# Allegro board gps_interface_boardv45ph.brd (continued)
## Routing (per net, layer and track width the routed paths; a pad name or vN(x,y) marks a point on that pad's centre or on a via; arc(x,y) is an arc through that point) (continued)
VCC3V3_LFILT: length 10.7
  TOP w0.305: v1(81.75,135.53) 80.84,134.62 U1.2
  BOTTOM w0.305: L1.2 86.21,131.47 86.21,131.47 C9.1 84.89,133.32 84.28,133.93 83.29,133.93 C8.1 83.24,134.92 82.63,135.53 v1(81.75,135.53)
VCC5V: length 81.2
  TOP w0.203: 26.04,65.56 26.03,65.55 U8.10 ; U10.12 62.38,67.85 61.32,66.79 v1(61.32,64.9) 61.32,59.46 60.35,58.5 v1(52.86,58.5) 32.97,58.5 32.03,59.44 32.03,63.8 29.77,66.07 27.58,66.07 ; v1(54.61,46.71) 55.89,46.71 56.47,46.13 U13.12
  TOP w0.305: R265.1 v1(69.33,134.8)
  BOTTOM w0.203: C69.2 v1(61.32,64.9) ; v1(52.86,58.5) 52.86,47.65 53.8,46.71 v1(54.61,46.71) 54.61,46.22 54.93,45.9 C84.2
  BOTTOM w0.305: P1.11 278.23,10.34 278.26,10.36 C116.1 ; v1(34.12,140.39) C10.2 33.3,138.3 33.28,138.29 L2.1 v1(31.71,140.21)
  vias: v1(22.45,68.07) v1(22.45,66.67) v1(23.55,68.05) v1(23.55,66.67) v1(23.6,69.39) v1(24.69,69.39) v1(24.66,68.07) v1(24.69,66.67) v1(25.83,69.39) v1(25.88,68.12) v1(25.88,66.67)
VCC5V_LFILT: length 34.9
  TOP w0.203: v1(44.43,134.57) 43.63,133.76 U2.1
  TOP w0.305: U3.1 18.29,133.74 18.3,133.73 v1(19.11,133.73)
  BOTTOM w0.305: L2.2 31.71,134.53 31.7,134.53 C12.2 ; C12.2 31.7,132.23 32.54,131.39 42.93,131.39 43.79,132.26 43.79,133.93 v1(44.43,134.57) ; C12.2 25.2,133.71 25.18,133.73 21.25,133.73 21.25,133.73 C11.2 v1(19.11,133.73)
VCCR_SFP INTERFACE_ACLK SFP: length 12.6
  TOP w0.305: v1(132.69,99.39) 132.23,99.85 L20.2 132.23,103.48 v1(133.32,104.57) ; J30.15 137.21,113.51 v1(136.7,114.02)
  BOTTOM w0.203: C2717.2 131.68,104.35 v1(132.13,104.8)
  BOTTOM w0.33: C2714.2 136.7,116.69 v1(136.7,114.02)
VCCR_SFP INTERFACE_SFP1: length 12.6
  TOP w0.305: v1(280.01,99.42) 279.48,99.95 L7.2 279.48,103.63 v1(280.42,104.57) ; J13.15 284.48,113.56 v1(283.97,114.07)
  BOTTOM w0.203: C134.2 v1(278.93,104.99)
  BOTTOM w0.33: v1(283.97,114.07) 283.97,116.77 C135.2
VCCR_SFP INTERFACE_SFP2: length 12.8
  TOP w0.305: v1(258.17,104.78) 257.4,104.01 L9.2 257.4,99.8 v1(257.84,99.36) ; J14.15 262.41,113.51 v1(261.9,114.02)
  BOTTOM w0.203: C157.2 v1(256.85,105.11)
  BOTTOM w0.33: v1(261.9,114.02) 261.9,116.77 C158.2
VCCR_SFP INTERFACE_SFP3: length 12.5
  TOP w0.305: J18.15 240.11,113.51 v1(239.6,114.02) ; v1(235.86,104.57) 235.1,103.81 L11.2 235.1,99.82 v1(235.51,99.42)
  BOTTOM w0.203: C180.2 v1(234.55,105.11)
  BOTTOM w0.33: C181.2 239.6,116.77 v1(239.6,114.02)
VCCR_SFP INTERFACE_SFP4: length 12.6
  TOP w0.305: J19.15 210.87,113.51 v1(210.36,114.02) ; v1(206.68,104.62) 205.89,103.84 L13.2 205.89,99.82 v1(206.3,99.42)
  BOTTOM w0.203: C203.2 v1(205.34,105.11)
  BOTTOM w0.33: C204.2 210.36,116.79 v1(210.36,114.02)
VCCR_SFP INTERFACE_SFP5: length 12.6
  TOP w0.305: J20.15 188.57,113.51 v1(188.06,114.02) ; v1(184,99.42) 183.59,99.82 L15.2 183.59,103.81 v1(184.4,104.62)
  BOTTOM w0.203: C226.2 v1(183.04,105.11)
  BOTTOM w0.33: v1(188.06,114.02) 188.06,116.71 C227.2
VCCR_SFP INTERFACE_SFP6: length 12.6
  TOP w0.305: v1(162.56,104.57) 161.47,103.48 L17.2 161.47,99.85 v1(161.93,99.39) ; v1(165.94,114.02) 166.45,113.51 J21.15
  BOTTOM w0.203: v1(161.37,104.8) 160.92,104.35 C249.2
  BOTTOM w0.33: v1(165.94,114.02) 165.94,116.69 C250.2
VCCT_SFP INTERFACE_ACLK SFP: length 12.4
  TOP w0.305: v1(138.43,114) 138.01,113.58 J30.16 ; v1(142.57,104.8) 143.23,104.14 L21.2 143.23,100.36 143.26,100.33 143.26,100.22 143.41,100.06 v1(143.41,99.52)
  BOTTOM w0.203: C2719.2 v1(143.81,105.24)
  BOTTOM w0.33: C2718.2 138.48,114.04 v1(138.43,114)
VCCT_SFP INTERFACE_SFP1: length 13.8
  TOP w0.305: v1(289.94,104.95) 290.47,104.42 L8.2 290.47,100.05 v1(291.01,99.52) ; J13.16 285.28,113.63 v1(285.7,114.05)
  BOTTOM w0.203: C137.2 v1(291.05,105.14) ; 287.48,117.02 v1(287.48,115.87)
  BOTTOM w0.33: v1(285.7,114.05) 285.7,116.91 C136.2
VCCT_SFP INTERFACE_SFP2: length 16.1
  TOP w0.203: v1(269.38,106.26) 268.12,106.26 268.11,106.26 267.41,106.26
  TOP w0.305: v1(263.63,114) 263.21,113.58 J14.16 ; v1(267.56,104.78) 268.4,103.94 L10.2 268.4,99.77 v1(268.63,99.54)
  BOTTOM w0.203: C160.2 v1(268.98,105.24) ; 269.38,107.9 v1(269.38,106.26)
  BOTTOM w0.33: v1(263.63,114) 263.63,116.91 C159.2
VCCT_SFP INTERFACE_SFP3: length 12.4
  TOP w0.305: v1(245.19,104.72) 246.1,103.81 L12.2 246.1,99.8 v1(246.33,99.57) ; J18.16 240.91,113.58 v1(241.33,114)
  BOTTOM w0.203: C183.2 v1(246.68,105.24)
  BOTTOM w0.33: C182.2 241.33,116.91 v1(241.33,114)
VCCT_SFP INTERFACE_SFP4: length 12.9
  TOP w0.305: v1(217.32,99.54) 216.89,99.97 L14.2 216.89,103.94 v1(215.77,105.05) ; v1(212.09,114) 211.67,113.58 J19.16
  BOTTOM w0.203: C206.2 v1(217.47,105.24)
  BOTTOM w0.33: v1(212.09,114) 212.09,116.94 C205.2
VCCT_SFP INTERFACE_SFP5: length 10.7
  TOP w0.305: J20.16 189.37,113.58 v1(189.79,114) ; v1(194.82,99.57) 194.82,100.11 194.59,100.34 L16.2 v1(193.29,102.08)
  BOTTOM w0.203: C229.2 v1(195.16,105.24)
  BOTTOM w0.33: v1(189.79,114) 189.79,116.91 C228.2
VCCT_SFP INTERFACE_SFP6: length 16
  TOP w0.203: 171.45,106.26 172.15,106.26 172.15,106.26 v1(173.39,106.26)
  TOP w0.305: v1(172.64,99.52) 172.64,100.06 172.49,100.22 172.49,100.33 172.47,100.36 L18.2 172.47,104.14 v1(171.81,104.8) ; v1(167.67,114) 167.25,113.58 J21.16
  BOTTOM w0.203: C252.2 v1(173.04,105.24) ; 173.39,107.9 v1(173.39,106.26)
  BOTTOM w0.33: C251.2 167.67,116.92 v1(167.67,114)
VDD_FILT: length 13.9
  TOP w0.165: v1(117.75,76.56) 118.5,75.81 118.5,75.39 U48.32
  TOP w0.203: U48.60 113.01,83.59 v1(112.56,83.15) ; U48.46 118.54,82.63 118.53,82.63 v1(118.03,82.63)
  TOP w0.305: 100.24,89.55 99.27,89.55
  BOTTOM w0.165: C18.2 v1(118.03,82.63) ; v1(112.56,83.15) 113,83.59 C20.2 ; C19.2 118.52,75.79 v1(117.75,76.56)
  vias: v1(100.3,90.35) v1(104.27,90.35) v1(104.27,89.66) v1(105.03,90.35) v1(105.03,89.66)
VDDA_FILT: length 28
  TOP w0.203: v1(111.53,77.24) 111.14,77.63 U48.13
  BOTTOM w0.203: C15.2 111.15,77.62 v1(111.53,77.24) 110.74,76.45 C14.2
  BOTTOM w0.305: C16.1 96.55,66.07 96.55,66.08 L3.2 97.92,67.11 98.4,67.59 98.4,70.74 99.57,71.91 102.69,71.91 105.79,75.01 108.15,75.01 108.75,75.61 C14.2
VDDO_FILT: length 77.8
  TOP w0.165: 118.01,79.15 118.01,79.16
  TOP w0.203: v1(116.66,76.5) 117.01,76.16 U48.29 ; v1(120.81,75.01) 120.02,75.01 119.26,75.77 U48.33 118.76,76.13 118.52,76.38 118.52,77.29 118.6,77.37 118.6,77.39 118.75,77.54 118.77,77.54 118.86,77.63 ; U48.36 118.86,77.63 ; 118.86,77.63 118.48,77.63 118.01,78.11 118.01,79.15 ; U48.57 114.51,83.88 v1(115.06,83.32) ; v1(123.77,83.52) 122.91,84.38 U48.49 118.51,83.66 v1(118.19,83.34) ; 118.01,79.16 v1(118.01,79.63) ; v1(118.01,79.63) U48.40 ; v1(118.01,79.63) 118.01,80.7 118.45,81.13 U48.43 ; v1(113.92,76.5) 113.51,76.09 U48.22 ; U48.26 115.51,76 115.49,76.02 v1(115.49,76.49)
  BOTTOM w0.165: v1(118.01,79.63) 118.49,79.63 118.51,79.65 C26.2 ; 126.43,75.16 126.44,75.16 ; C25.2 117.02,76.15 v1(116.66,76.5) ; C27.2 113.51,76.1 v1(113.92,76.5) 113.98,76.5 114,76.49 ; C23.2 118.44,85.24 118.19,84.99 v1(118.19,83.34) ; C28.2 114.53,83.86 v1(115.06,83.32) ; 126.43,76.22 L5.2 ; C24.2 v1(120.81,75.01)
  BOTTOM w0.203: v1(115.06,83.32) 117.7,83.32 117.71,83.34 v1(118.19,83.34) ; 114,76.49 v1(115.49,76.49) 116.15,76.49 116.17,76.5 v1(116.66,76.5)
  BOTTOM w0.305: v1(115.49,76.49) 115.49,75.95 115.82,75.62 115.82,71.58 116.43,70.97 119.38,70.97 122.48,74.07 C29.1 126.44,75.16 ; v1(120.81,75.01) 124.45,75.01 125.57,76.12 L5.2 126.43,75.16 ; v1(123.77,83.52) 123.77,78.88 126.43,76.22
A0_1: length 3
  TOP w0.203: U53.21 214.4,13.89 214.34,13.84 R248.1
A0_2: length 3.7
  TOP w0.203: U52.21 197.15,13.77 197.09,13.84 R247.1
A0_2V5: length 1.5
  TOP w0.203: U13.2 54.64,44.15 54.58,44.2 R59.2
A0_3V3: length 2
  TOP w0.203: R55.2 64.51,65.48 64.51,65.48 U10.3
A0_5V: length 1.5
  TOP w0.203: U8.2 23.19,62.08 23.13,62.14 R48.2
A0_BID: length 4.8
  TOP w0.203: R73.2 R77.1 82.78,-14.15 82.91,-14.02 U49.1
A1_1: length 3.5
  TOP w0.203: R249.1 224.16,12.54 224.11,12.59 U53.2
A1_2: length 3.5
  TOP w0.203: U52.2 206.81,12.47 207.21,12.06 207.95,12.06 208.43,12.54 R250.1
A1_2V5: length 2.1
  TOP w0.203: U13.3 54.65,43.65 54.64,43.64 54.24,43.64 54.05,43.45 R60.2
A1_5V: length 1.8
  TOP w0.203: U8.3 23.23,61.58 22.63,60.98 R49.2
A1_BID: length 5
  TOP w0.203: U49.2 82.22,-15.29 81.46,-16.05 R72.2 R76.1
A2_BID: length 7
  TOP w0.203: R75.1 R71.2 81.38,-19.66 82.14,-18.9 82.14,-17.07 82.65,-16.56 U49.3
ACLK_TO_CDR_N: length 29.3
  TOP w0.203: 137.82,73.79 137.79,73.76 U104.4
  TOP w0.33: TP765.1 144.93,79.13 144.6,79.46 142.33,79.46 139.52,76.66 137.92,76.66 137.27,77.3 137.27,77.72 v1(136.83,78.16) 137.27,78.6 137.27,79.61 136.9,79.98 135.33,79.98 135,79.65 135,76.38 135.48,75.9 137.18,75.9 137.82,75.25 137.82,73.79
  BOTTOM w0.33: C2747.2 136.8,81.25 137.27,80.78 137.27,78.6 v1(136.83,78.16)
ACLK_TO_CDR_P: length 30.1
  TOP w0.203: U104.5 137.29,73.76 137.29,73.77
  TOP w0.33: 137.29,73.77 137.29,75.03 136.96,75.36 135.26,75.36 134.47,76.16 134.47,79.88 135.11,80.52 137.12,80.52 137.81,79.83 137.81,78.6 v1(138.25,78.16) 137.81,77.72 137.81,77.53 138.14,77.19 139.3,77.19 142.11,80 144.6,80 144.93,80.33 TP764.1
  BOTTOM w0.33: C2748.2 138.28,81.25 137.81,80.78 137.81,78.6 v1(138.25,78.16)
BNC_DIR: length 11.5
  TOP w0.203: 290.84,25.83 295.33,25.83 J16.2 296.77,20.57 296.75,20.55 J15.2
CLK_FROM_FPGA_N: length 1.6
  TOP w0.203: U48.15 109.63,76.63 109.63,76.63 108.68,76.63
CLK_FROM_FPGA_P: length 1.8
  TOP w0.165: 108.7,77.72 108.7,77.7
  TOP w0.203: 108.7,77.7 109.27,77.13 U48.14
CLK_TO_SFP.CLK_TO_SFP_N0: length 2.4
  TOP w0.178: 282.13,80.98 282.13,81.8 282.11,81.82 U22.7
  TOP w0.33: 282.13,80.24 282.13,80.98
CLK_TO_SFP.CLK_TO_SFP_N1: length 2.4
  TOP w0.178: 260.06,81.08 260.06,81.9 260.04,81.92 U26.7
  TOP w0.33: 260.06,80.34 260.06,81.08
CLK_TO_SFP.CLK_TO_SFP_N2: length 2.4
  TOP w0.178: U30.7 237.74,81.92 237.76,81.9 237.76,81.08
  TOP w0.33: 237.76,80.34 237.76,81.08
CLK_TO_SFP.CLK_TO_SFP_N3: length 2.4
  TOP w0.178: U34.7 208.53,81.92 208.55,81.9 208.55,81.08
  TOP w0.33: 208.55,80.34 208.55,81.08
CLK_TO_SFP.CLK_TO_SFP_N4: length 2.4
  TOP w0.178: 186.25,81.08 186.25,81.9 186.23,81.92 U38.7
  TOP w0.33: 186.25,80.34 186.25,81.08
CLK_TO_SFP.CLK_TO_SFP_N5: length 2.4
  TOP w0.178: U42.7 164.11,81.92 164.12,81.9 164.12,81.08
  TOP w0.33: 164.12,80.34 164.12,81.08
CLK_TO_SFP.CLK_TO_SFP_P0: length 2.4
  TOP w0.178: U22.6 281.61,81.82 281.6,81.8 281.6,80.98
  TOP w0.33: 281.6,80.24 281.6,80.98
CLK_TO_SFP.CLK_TO_SFP_P1: length 2.4
  TOP w0.178: 259.52,81.08 259.52,81.9 259.54,81.92 U26.6
  TOP w0.33: 259.52,80.34 259.52,81.08
CLK_TO_SFP.CLK_TO_SFP_P2: length 2.4
  TOP w0.178: U30.6 237.24,81.92 237.22,81.9 237.22,81.08
  TOP w0.33: 237.22,80.34 237.22,81.08
CLK_TO_SFP.CLK_TO_SFP_P3: length 2.4
  TOP w0.178: U34.6 208.03,81.92 208.01,81.9 208.01,81.08
  TOP w0.33: 208.01,80.34 208.01,81.08
CLK_TO_SFP.CLK_TO_SFP_P4: length 2.4
  TOP w0.178: U38.6 185.73,81.92 185.71,81.9 185.71,81.08
  TOP w0.33: 185.71,80.34 185.71,81.08
CLK_TO_SFP.CLK_TO_SFP_P5: length 2.4
  TOP w0.178: U42.6 163.61,81.92 163.59,81.9 163.59,81.08
  TOP w0.33: 163.59,80.34 163.59,81.08
CML_SFP_TD_N_SFP INTERFACE_SFP1: length 5
  TOP w0.178: R120.2 284.84,83.77 U22.10
  TOP w0.33: R120.2 285.94,83.46 286.75,83.46 287.03,83.19 C141.1
CML_SFP_TD_N_SFP INTERFACE_SFP2: length 5
  TOP w0.178: R141.2 262.77,83.87 U26.10
  TOP w0.33: C164.1 264.96,83.29 264.68,83.57 263.87,83.57 R141.2
CML_SFP_TD_N_SFP INTERFACE_SFP3: length 5
  TOP w0.178: U30.10 240.47,83.87 R162.2
  TOP w0.33: C187.1 242.66,83.29 242.38,83.57 241.57,83.57 R162.2
CML_SFP_TD_N_SFP INTERFACE_SFP4: length 5
  TOP w0.178: U34.10 211.26,83.87 R183.2
  TOP w0.33: C210.1 213.45,83.29 213.17,83.57 212.36,83.57 R183.2
CML_SFP_TD_N_SFP INTERFACE_SFP5: length 5
  TOP w0.178: R204.2 188.96,83.87 U38.10
  TOP w0.33: R204.2 190.05,83.57 190.86,83.57 191.14,83.29 C233.1
CML_SFP_TD_N_SFP INTERFACE_SFP6: length 5
  TOP w0.178: R225.2 166.84,83.87 U42.10
  TOP w0.33: C256.1 169.02,83.29 168.74,83.57 167.93,83.57 R225.2
CML_SFP_TD_P_SFP INTERFACE_SFP1: length 4.9
  TOP w0.178: R119.2 285.33,84.27 U22.11
  TOP w0.33: R119.2 286.04,84 286.75,84 287.03,84.28 C140.1
CML_SFP_TD_P_SFP INTERFACE_SFP2: length 4.9
  TOP w0.178: R140.2 263.25,84.37 U26.11
  TOP w0.33: R140.2 263.97,84.1 264.68,84.1 264.96,84.38 C163.1
CML_SFP_TD_P_SFP INTERFACE_SFP3: length 4.9
  TOP w0.178: R161.2 240.95,84.37 U30.11
  TOP w0.33: R161.2 241.67,84.1 242.38,84.1 242.66,84.38 C186.1
CML_SFP_TD_P_SFP INTERFACE_SFP4: length 4.9
  TOP w0.178: R182.2 211.74,84.37 U34.11
  TOP w0.33: C209.1 213.45,84.38 213.17,84.1 212.46,84.1 R182.2
CML_SFP_TD_P_SFP INTERFACE_SFP5: length 4.9
  TOP w0.178: R203.2 189.44,84.37 U38.11
  TOP w0.33: C232.1 191.14,84.38 190.86,84.1 190.16,84.1 R203.2
CML_SFP_TD_P_SFP INTERFACE_SFP6: length 4.9
  TOP w0.178: R224.2 167.32,84.37 U42.11
  TOP w0.33: R224.2 168.03,84.1 168.74,84.1 169.02,84.38 C255.1
FB_2V5: length 2.5
  TOP w0.165: U12.3 47.05,51.84 47.61,52.4 C83.2
FB_3V3_1: length 2.5
  TOP w0.165: U9.3 47.03,69.85 47.59,70.41 C64.2
FB_3V3_2: length 2.5
  TOP w0.165: U11.3 47,84.71 47.56,85.27 C75.2
FB_5V: length 10
  TOP w0.165: C56.2 16.17,70.33 15.61,69.77 U7.3
  TOP w0.203: C56.2 v1(18.34,70.33)
  BOTTOM w0.203: R47.1 16.42,74.46 16.45,74.43 R46.2 17.3,73.38 18.34,72.34 v1(18.34,70.33)
FB_5V5: length 7.8
  TOP w0.203: v1(6.53,44.73) 6.94,44.32 U6.32
  BOTTOM w0.165: R41.2 5.18,45.43 5.16,45.45 R36.1
  BOTTOM w0.203: C51.2 4.15,44.96 4.36,44.74 R41.2 5.89,44.74 5.9,44.73 v1(6.53,44.73)
FMC.ACLK_FROM_SFP_N: length 206.9
  TOP w0.203: U107.11 138.3,89.26 138.35,89.21 138.35,88.33 139.9,86.78 139.9,85.46 139.84,85.39 139.84,85.34
  TOP w0.33: v1(112.05,10.16) 111.61,9.72 111.61,7.94 112.46,7.09 113.64,7.09 114.68,8.13 114.68,11.84 113.18,13.34 107.82,13.34 87.91,33.25 87.91,43.31 96.09,51.49 118.08,51.49 126.8,60.2 126.8,76.17 133.05,82.42 139.31,82.42 139.84,82.95 139.84,85.34
  BOTTOM w0.33: 169.54,6.99 169.91,6.62 169.91,4.68 169.17,3.94 114.6,3.94 111.61,6.93 111.61,9.72 v1(112.05,10.16)
FMC.ACLK_FROM_SFP_P: length 210.4
  TOP w0.203: U107.12 138.8,89.26 138.75,89.21 138.75,88.5 140.31,86.94 140.31,85.46 140.37,85.39 140.37,85.34
  TOP w0.33: 140.37,85.34 140.37,82.73 139.53,81.89 133.27,81.89 127.33,75.95 127.33,59.98 118.31,50.95 96.31,50.95 88.44,43.09 88.44,33.47 108.04,13.87 113.4,13.87 115.21,12.06 115.21,7.91 113.86,6.55 112.24,6.55 111.07,7.72 111.07,9.72 v1(110.63,10.16)
  BOTTOM w0.33: v1(110.63,10.16) 111.07,9.72 111.07,6.71 114.38,3.4 169.39,3.4 170.45,4.46 170.45,6.62 J8.C6
FMC.ACLK_REFCLK_N: length 21.1
  TOP w0.33: QZ1.5 182.91,15.76 182.58,15.43 182.23,15.43 181.9,15.1 181.9,8.91 180.36,7.37 173.57,7.37 172.82,8.11 172.82,8.33 172.09,9.07 v1(172.09,9.18)
  BOTTOM w0.33: J8.D5 v1(172.09,9.18)
FMC.ACLK_REFCLK_P: length 19
  TOP w0.33: QZ1.4 180.37,15.76 180.7,15.43 181.04,15.43 181.37,15.1 181.37,9.13 180.14,7.9 173.79,7.9 173.35,8.33 v1(173.35,9.18)
  BOTTOM w0.33: J8.D4 v1(173.35,9.18)
FMC.ACLK_SFP_SCL: length 8.9
  TOP w0.203: v1(137.62,118.8) 137.62,119.05 137.61,119.05 J30.5 ; U19.20 v1(100.93,111.29)
  BOTTOM w0.203: R102.1 104.52,112.01 103.79,111.29 v1(100.93,111.29)
FMC.ACLK_SFP_SDA: length 8.7
  TOP w0.203: v1(138.41,121.87) J30.4 ; U19.19 v1(102.59,110.64)
  BOTTOM w0.203: v1(102.59,110.64) 103.36,110.64 103.36,110.64 R103.1
FMC.ACLK_SFP_TX_DIS: length 1.5
  TOP w0.203: J30.3 v1(139.21,118.82)
FMC.ACLK_TO_SFP_N: length 38.7
  TOP w0.33: 139.37,106.4 139.37,107.5 140.28,108.41 140.28,110.46 140.41,110.59 J30.19 ; 188.32,22.63 188.32,15.75 183.69,11.13 183.69,4.96 181.78,3.05 175.96,3.05 174.99,4.01 174.99,5.07 174.62,5.44 v1(174.62,6.06)
  BOTTOM w0.33: J8.C3 v1(174.62,6.06)
FMC.ACLK_TO_SFP_P: length 36.9
  TOP w0.33: 187.78,22.63 187.78,15.97 183.16,11.35 183.16,5.18 181.56,3.58 176.18,3.58 175.53,4.23 175.53,5.07 175.9,5.44 v1(175.9,6.06) ; J30.18 139.61,110.59 139.75,110.46 139.75,108.63 138.84,107.72 138.84,106.4
  BOTTOM w0.33: J8.C2 v1(175.9,6.06)
FMC.AUXOUT0_N: length 162.4
  TOP w0.33: P2.7 281.66,54.64 280.44,53.42 280.44,46.33 277.14,43.03 166.4,43.03 157.2,33.83 157.2,14.71 158.48,13.43 158.48,12.13 158.12,11.76 v1(158.12,11.14)
  BOTTOM w0.33: J8.G16 v1(158.12,11.14)
FMC.AUXOUT0_P: length 159.9
  TOP w0.33: P2.8 281.31,53.01 280.97,52.68 280.97,46.11 277.36,42.49 166.62,42.49 157.73,33.61 157.73,14.94 159.02,13.65 159.02,12.13 159.38,11.76 v1(159.38,11.14)
  BOTTOM w0.33: 159.38,12.06 v1(159.38,11.14)
FMC.AUXOUT1_N: length 161
  TOP w0.33: P2.11 276.58,54.88 275.44,53.73 275.44,48.56 273.01,46.13 163.79,46.13 153.39,35.73 153.39,14.71 154.67,13.43 154.67,12.13 154.31,11.76 v1(154.31,11.14)
  BOTTOM w0.33: J8.G19 v1(154.31,11.14)
FMC.AUXOUT1_P: length 158.4
  TOP w0.33: v1(155.57,11.14) 155.57,11.76 155.21,12.13 155.21,13.65 153.92,14.94 153.92,35.51 164.01,45.59 273.23,45.59 275.97,48.34 275.97,52.68 276.3,53.01 P2.12
  BOTTOM w0.33: J8.G18 v1(155.57,11.14)
FMC.AUXOUT2_N: length 159.5
  TOP w0.33: v1(150.5,11.14) 150.5,11.76 150.86,12.13 150.86,13.18 149.58,14.46 149.58,37.91 161.6,49.94 269.04,49.94 270.28,51.17 270.28,53.66 271.5,54.88 P2.15
  BOTTOM w0.33: J8.G22 v1(150.5,11.14)
FMC.AUXOUT2_P: length 156.8
  TOP w0.33: v1(151.76,11.14) 151.76,11.76 151.4,12.13 151.4,13.4 150.11,14.68 150.11,37.69 161.82,49.4 269.27,49.4 270.81,50.95 270.81,52.51 271.14,52.84 271.34,52.84 271.5,52.99 P2.16
  BOTTOM w0.33: 151.76,12.06 v1(151.76,11.14)
FMC.AUXOUT3_N: length 159.6
  TOP w0.33: v1(146.69,11.14) 146.69,11.76 147.05,12.13 147.05,12.95 145.87,14.13 145.87,42.99 157.42,54.55 266.09,54.55 266.42,54.88 P2.19
  BOTTOM w0.33: J8.G25 v1(146.69,11.14)
FMC.AUXOUT3_P: length 158.7
  TOP w0.33: v1(147.96,11.14) 147.96,11.76 147.59,12.13 147.59,13.17 146.41,14.35 146.41,42.77 157.65,54.01 266.09,54.01 266.42,53.68 P2.20
  BOTTOM w0.33: J8.G24 v1(147.96,11.14)
FMC.CLK_FILTER_A: length 122.2
  TOP w0.203: U18.16 103.19,35.35 102.87,35.66 102.87,41.05 v1(101.63,42.29) ; v1(93.57,120.19) 93.57,131.95 91.16,134.37 81.71,134.37 U1.1
  BOTTOM w0.203: v1(101.63,42.29) 92.23,42.29 91.39,43.12 91.39,102.32 93.57,104.5 v1(93.57,120.19)
FMC.CLK_FILTER_B: length 148.3
  TOP w0.203: v1(92.76,119.48) 92.79,119.46 95.68,119.46 96.7,120.47 96.7,132.36 92.18,136.88 90.27,136.88 86.28,140.87 78.05,140.87 76.15,138.96 76.15,133.99 U1.6 ; U18.14 104.49,38.26 103.76,38.99 103.76,40.33 v1(104.49,41.06)
  BOTTOM w0.203: v1(104.49,41.06) 91.84,41.06 90.74,42.16 90.74,103.16 92.76,105.18 v1(92.76,119.48)
FMC.CLK_FROM_FPGA_N: length 8
  TOP w0.33: 164.82,17.5 164.82,14.4 166.1,13.12 166.1,12.13 165.74,11.76 v1(165.74,11.14)
  BOTTOM w0.33: J8.G10 v1(165.74,11.14)
FMC.CLK_FROM_FPGA_P: length 8
  TOP w0.33: 165.35,17.5 165.35,14.62 166.64,13.34 166.64,12.13 167,11.76 v1(167,11.14)
  BOTTOM w0.33: J8.G9 v1(167,11.14)
FMC.CLK_GEN_INTR*: length 45.8
  TOP w0.203: v1(113.28,39.47) 113.69,39.07 113.69,37.95 113.28,37.54 U17.4 ; v1(111.56,78.13) U48.12
  BOTTOM w0.203: v1(111.56,78.13) 112.55,77.14 112.55,40.21 v1(113.28,39.47)
FMC.CLK_GEN_LOL*: length 75.7
  TOP w0.203: v1(124.97,81.94) 121.23,81.94 120.04,83.13 U48.47 ; U17.5 v1(112.63,38.25)
  SIG w0.203: v1(105.02,64.07) 110.72,64.07 110.73,64.08 v1(111.23,64.08) 124.49,64.08 124.97,64.57 v1(124.97,81.94)
  BOTTOM w0.203: v1(112.63,38.25) 111.23,39.66 v1(111.23,64.08) ; Q1.1 v1(105.02,64.07)
FMC.CLK_GEN_RST*: length 87.4
  TOP w0.203: v1(111.48,80.9) 111.25,81.13 U48.6 ; v1(98.96,43.74) 104.7,43.74 106.55,41.88 106.55,40.08 105.69,39.22 105.69,37.26 105.79,37.17 U18.12
  BOTTOM w0.203: v1(98.96,43.74) 92.76,43.74 92.15,44.35 92.15,84.89 93.79,86.53 101.05,86.53 106.15,81.43 109.7,81.43 110.24,80.9 v1(111.48,80.9)
FMC.CLK_TO_FPGA_N: length 8
  TOP w0.33: v1(174.62,11.04) 174.62,11.37 175.92,12.67 175.92,17.45
  BOTTOM w0.33: J8.G3 v1(174.62,11.04)
FMC.CLK_TO_FPGA_P: length 7.7
  TOP w0.33: 176.45,17.45 176.45,12.45 175.9,11.89 v1(175.9,11.04)
  BOTTOM w0.33: J8.G2 v1(175.9,11.04)
FMC.DATA_TO_FF_N0: length 170.7
  TOP w0.178: U22.3 279.66,83.77 279.64,83.76 278.68,83.76
  TOP w0.33: v1(277.04,70.8) 276.6,70.36 276.13,70.36 275.49,71 275.49,82.18 277.07,83.76 278.68,83.76
  BOTTOM w0.33: J8.H8 168.64,13.7 168.64,26.23 179.83,37.41 261.4,37.41 263.19,39.21 263.19,59.53 274.02,70.36 276.6,70.36 v1(277.04,70.8)
FMC.DATA_TO_FF_N1: length 169.1
  TOP w0.178: 256.6,83.86 257.57,83.86 257.59,83.87 U26.3
  TOP w0.33: v1(262.81,67.17) 262.37,66.73 256.2,66.73 252.58,70.35 252.58,79.96 254.36,81.74 254.36,83.22 255,83.86 256.6,83.86
  BOTTOM w0.33: v1(262.81,67.17) 262.37,66.73 260.88,66.73 257.02,62.87 257.02,43.08 253.77,39.83 178.97,39.83 164.83,25.69 164.83,13.7 J8.H11
FMC.DATA_TO_FF_N2: length 134.8
  TOP w0.178: 234.3,83.86 235.27,83.86 235.28,83.87 U30.3
  TOP w0.33: v1(235.69,57.77) 235.25,57.33 233.25,57.33 230.89,59.69 230.89,79.61 232.05,80.78 232.05,83.22 232.69,83.86 234.3,83.86
  BOTTOM w0.33: J8.H14 161.02,13.7 161.02,25.71 178.34,43.03 218.14,43.03 232.44,57.33 235.25,57.33 v1(235.69,57.77)
FMC.DATA_TO_FF_N3: length 114.2
  TOP w0.178: U34.3 206.07,83.87 206.06,83.86 205.09,83.86
  TOP w0.33: v1(206.78,57.59) 206.34,57.15 201.88,57.15 198.37,60.66 198.37,76.1 202.84,80.57 202.84,83.22 203.48,83.86 205.09,83.86
  BOTTOM w0.33: J8.H17 157.21,13.7 157.21,25.89 179.36,48.03 191.54,48.03 200.66,57.15 206.34,57.15 v1(206.78,57.59)
FMC.DATA_TO_FF_N4: length 106.3
  TOP w0.178: U38.3 183.77,83.87 183.76,83.86 182.79,83.86
  TOP w0.33: 182.79,83.86 181.18,83.86 180.54,83.22 180.54,79.84 179.15,78.44 179.15,64.76 186.78,57.12 192.7,57.12 v1(193.14,57.56)
  BOTTOM w0.33: v1(193.14,57.56) 192.7,57.12 190.03,57.12 184.92,52.02 179.53,52.02 153.4,25.9 153.4,13.7 J8.H20
FMC.DATA_TO_FF_N5: length 112
  TOP w0.178: 160.67,83.86 161.63,83.86 161.65,83.87 U42.3
  TOP w0.33: v1(181.33,57.64) 180.89,57.2 160.72,57.2 156.82,61.1 156.82,78.11 158.42,79.71 158.42,83.22 159.06,83.86 160.67,83.86
  BOTTOM w0.33: J8.H23 149.59,13.7 149.59,27.47 179.32,57.2 180.89,57.2 v1(181.33,57.64)
FMC.DATA_TO_FF_P0: length 171.5
  TOP w0.178: U22.2 279.66,84.27 279.64,84.29 278.68,84.29
  TOP w0.33: v1(277.04,69.38) 276.6,69.82 275.91,69.82 274.95,70.78 274.95,82.4 276.85,84.29 278.68,84.29
  BOTTOM w0.33: v1(277.04,69.38) 276.6,69.82 274.24,69.82 263.73,59.31 263.73,38.99 261.62,36.88 180.05,36.88 169.18,26 169.18,13.7 169.54,13.34
FMC.DATA_TO_FF_P1: length 170
  TOP w0.178: U26.2 257.59,84.37 257.57,84.39 256.6,84.39
  TOP w0.33: v1(262.81,65.75) 262.37,66.19 255.98,66.19 252.04,70.13 252.04,80.18 253.82,81.96 253.82,83.44 254.77,84.39 256.6,84.39
  BOTTOM w0.33: J8.H10 165.37,13.7 165.37,25.47 179.19,39.29 253.99,39.29 257.56,42.86 257.56,62.64 261.1,66.19 262.37,66.19 v1(262.81,65.75)
FMC.DATA_TO_FF_P2: length 135.7
  TOP w0.178: U30.2 235.28,84.37 235.27,84.39 234.3,84.39
  TOP w0.33: 234.3,84.39 232.47,84.39 231.52,83.44 231.52,81 230.35,79.83 230.35,59.47 233.03,56.79 235.25,56.79 v1(235.69,56.35)
  BOTTOM w0.33: v1(235.69,56.35) 235.25,56.79 232.66,56.79 218.36,42.49 178.56,42.49 161.56,25.49 161.56,13.7 J8.H13
FMC.DATA_TO_FF_P3: length 115.1
  TOP w0.178: 205.09,84.39 206.06,84.39 206.07,84.37 U34.2
  TOP w0.33: v1(206.78,56.18) 206.34,56.62 201.66,56.62 197.84,60.43 197.84,76.32 202.31,80.79 202.31,83.44 203.26,84.39 205.09,84.39
  BOTTOM w0.33: v1(206.78,56.18) 206.34,56.62 200.88,56.62 191.76,47.5 179.58,47.5 157.75,25.67 157.75,13.7 J8.H16
FMC.DATA_TO_FF_P4: length 107.2
  TOP w0.178: U38.2 183.77,84.37 183.76,84.39 182.79,84.39
  TOP w0.33: 182.79,84.39 180.96,84.39 180.01,83.44 180.01,80.06 178.61,78.66 178.61,64.54 186.56,56.59 192.7,56.59 v1(193.14,56.15)
  BOTTOM w0.33: v1(193.14,56.15) 192.7,56.59 190.25,56.59 185.14,51.49 179.75,51.49 153.94,25.67 153.94,13.7 J8.H19
FMC.DATA_TO_FF_P5: length 112.9
  TOP w0.178: 160.67,84.39 161.63,84.39 161.65,84.37 U42.2
  TOP w0.33: 160.67,84.39 158.84,84.39 157.89,83.44 157.89,79.93 156.29,78.33 156.29,60.88 160.5,56.67 180.89,56.67 v1(181.33,56.23)
  BOTTOM w0.33: v1(181.33,56.23) 180.89,56.67 179.54,56.67 150.13,27.25 150.13,13.7 J8.H22
FMC.FPGA_CLK_FILTER_A: length 91.9
  TOP w0.203: v1(100.97,24.82) 100.97,27.97 101.57,28.57 U18.1
  SIG w0.203: v1(160.66,6.06) 161.14,5.58 161.14,3.25 158.75,0.86 105.71,0.86 100.97,5.61 v1(100.97,24.82)
  BOTTOM w0.33: J8.C14 v1(160.66,6.06)
FMC.FPGA_CLK_FILTER_B: length 85.2
  TOP w0.203: v1(103.59,23.77) 104.49,24.67 U18.3
  SIG w0.203: v1(103.59,23.77) 103.59,12.54 104.93,11.2 104.93,3.2 106.63,1.5 156.31,1.5 159.44,4.62 159.44,6.01 v1(159.38,6.06)
  BOTTOM w0.33: 159.38,6.99 v1(159.38,6.06)
FMC.FPGA_CLK_GEN_INTR*: length 49.8
  TOP w0.203: U17.11 113.28,27.87 112.45,27.03 112.45,24.1 113.66,22.89 117.53,22.89 123.9,16.51 123.9,9.96 126.19,7.67 143.69,7.67 144.15,7.21 v1(144.15,6.06)
  BOTTOM w0.33: J8.C27 v1(144.15,6.06)
FMC.FPGA_CLK_GEN_LOL*: length 75
  TOP w0.203: v1(110.98,22.96) 111.73,23.72 111.73,27.24 112.63,28.14 U17.10
  SIG w0.203: v1(165.74,6.06) 164.66,7.14 155.57,7.14 155.27,6.83 138.84,6.83 138.02,6.02 135.33,6.02 134.21,7.14 125.86,7.14 120.29,12.7 113.11,12.7 110.98,14.83 v1(110.98,22.96)
  BOTTOM w0.33: J8.C10 v1(165.74,6.06)